# Altium PCB PIC32MZ_cam.PcbDoc (part 1 of 4)
Units mm, origin at the board's own origin, x right, y up, seen from the top; angles counter-clockwise.
Board outline 61.35 x 22.68 mm, 2 copper layers (Top Layer, Bottom Layer); 224 components, 62 nets, 1546 pads, 748 vias.
Unrouted connection lines stored in the file: 95.
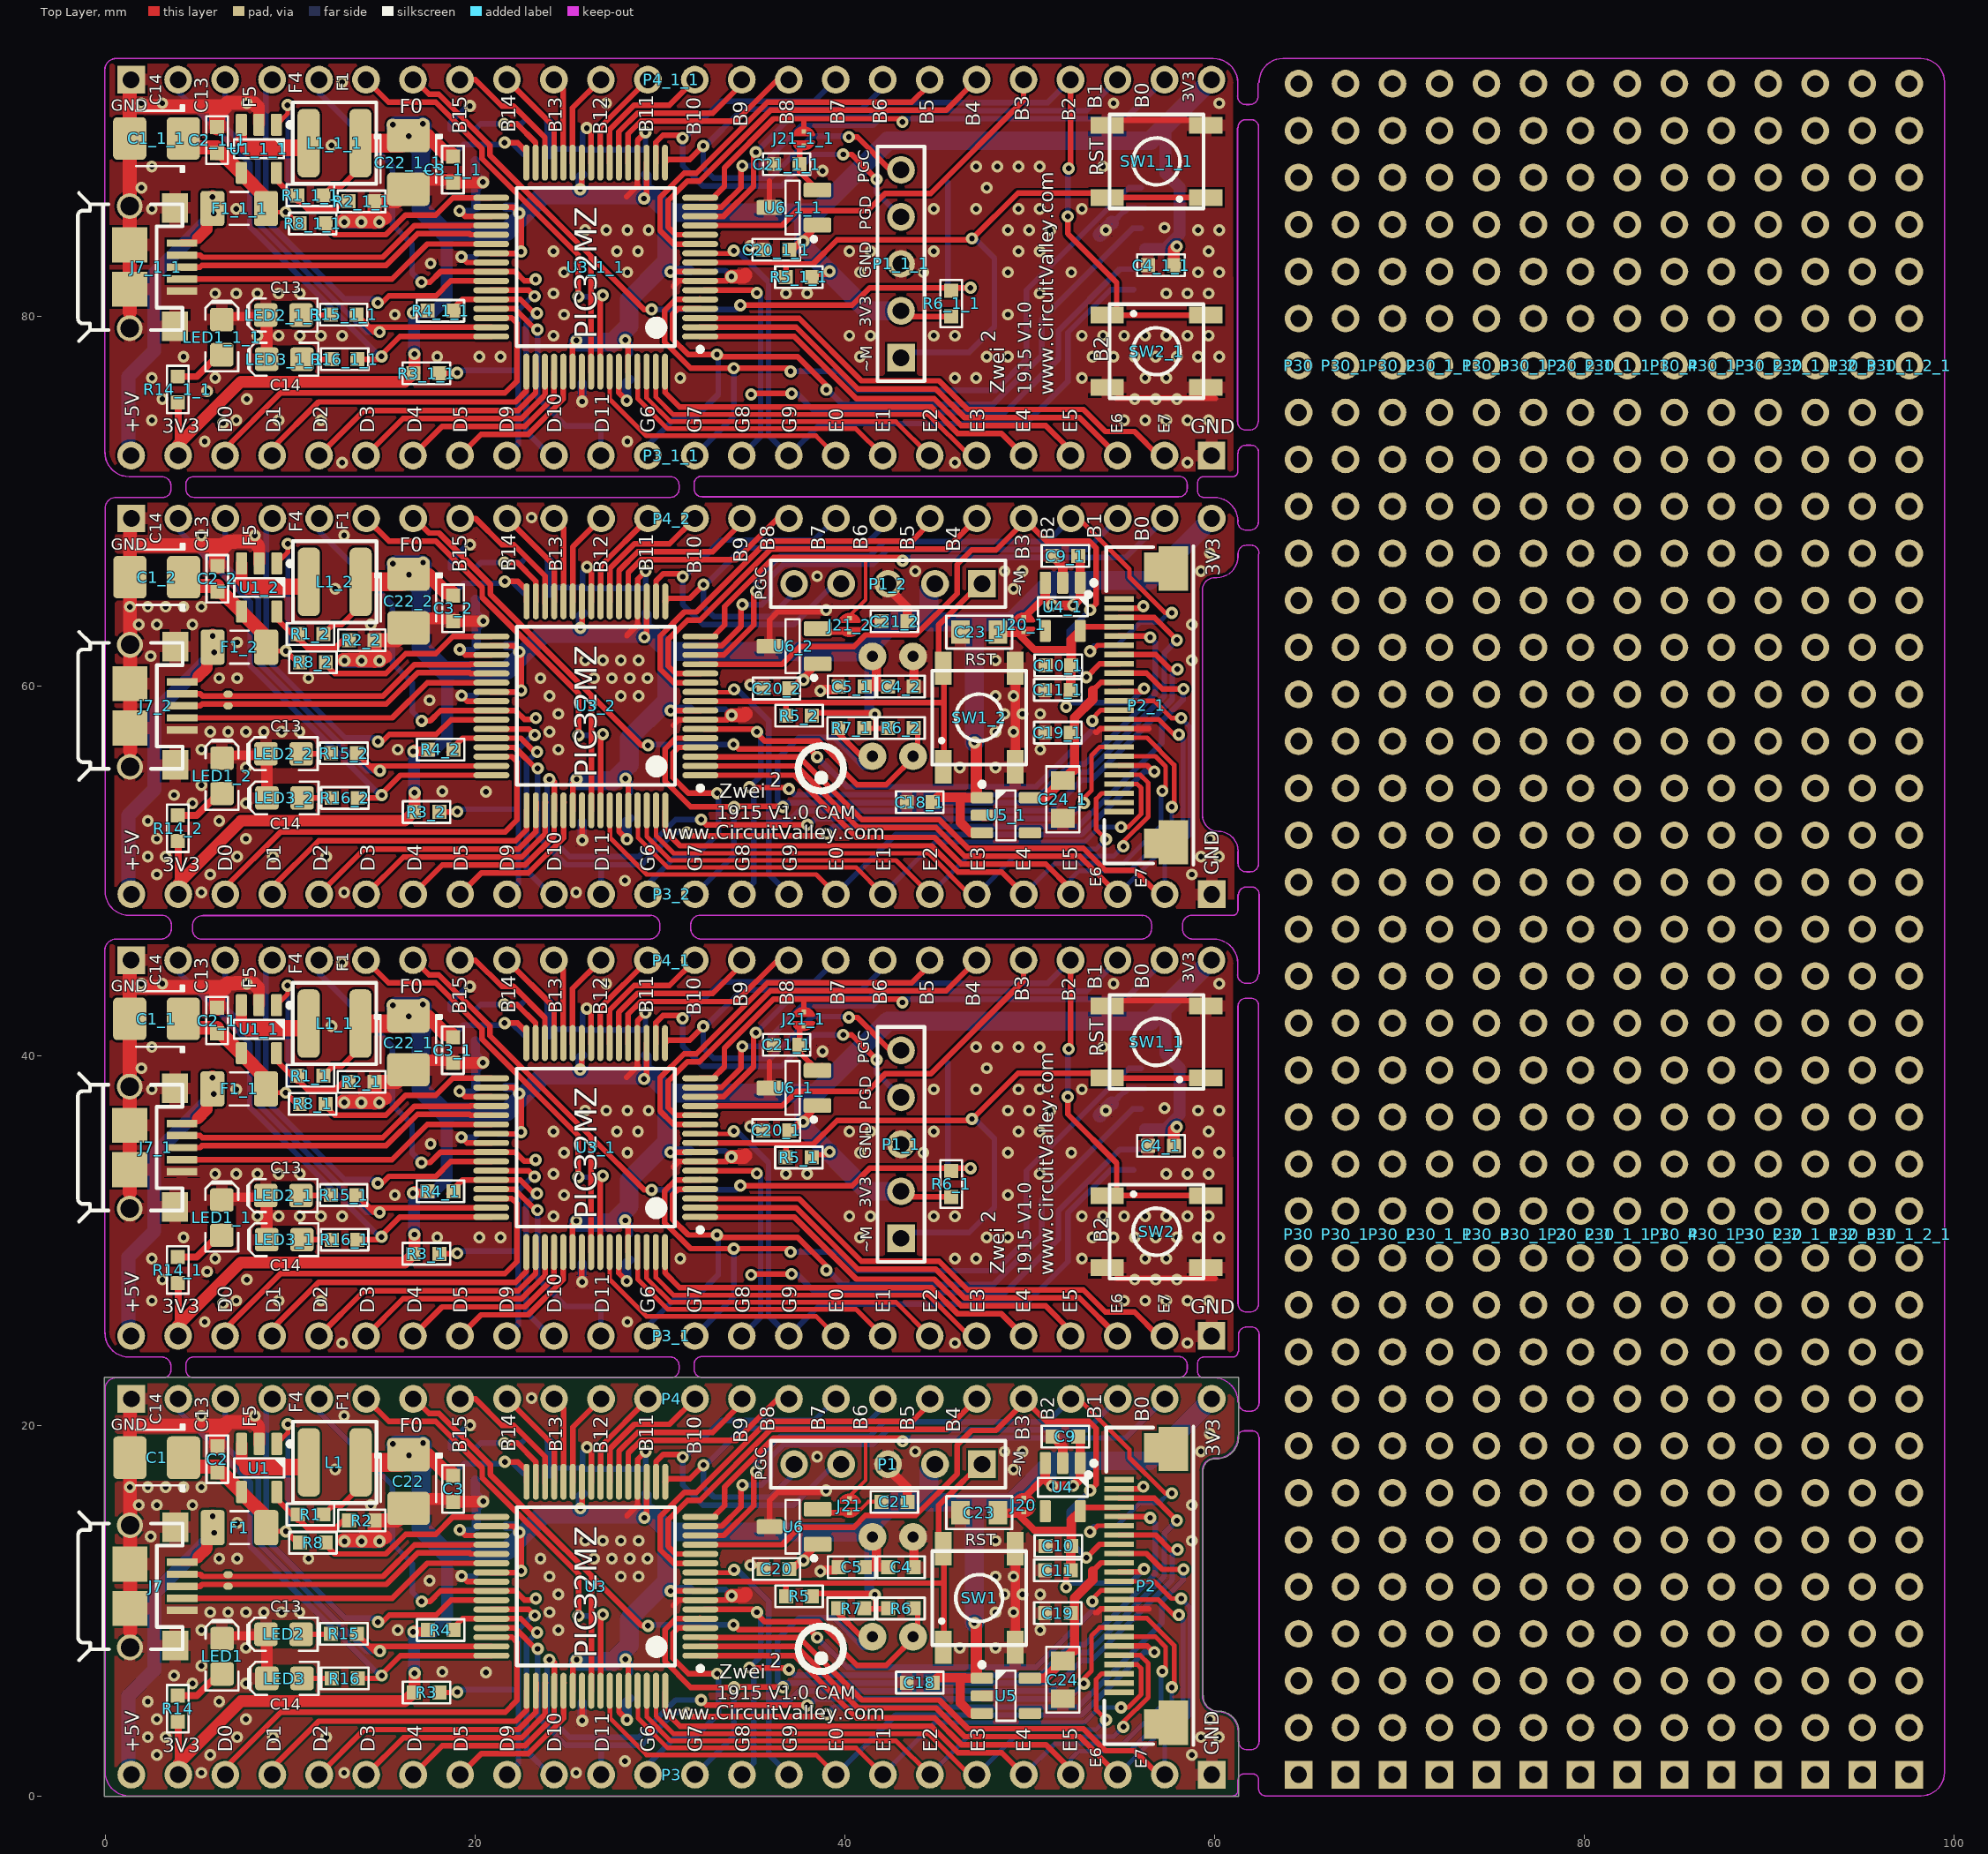
[diagram p0: Top Layer view]
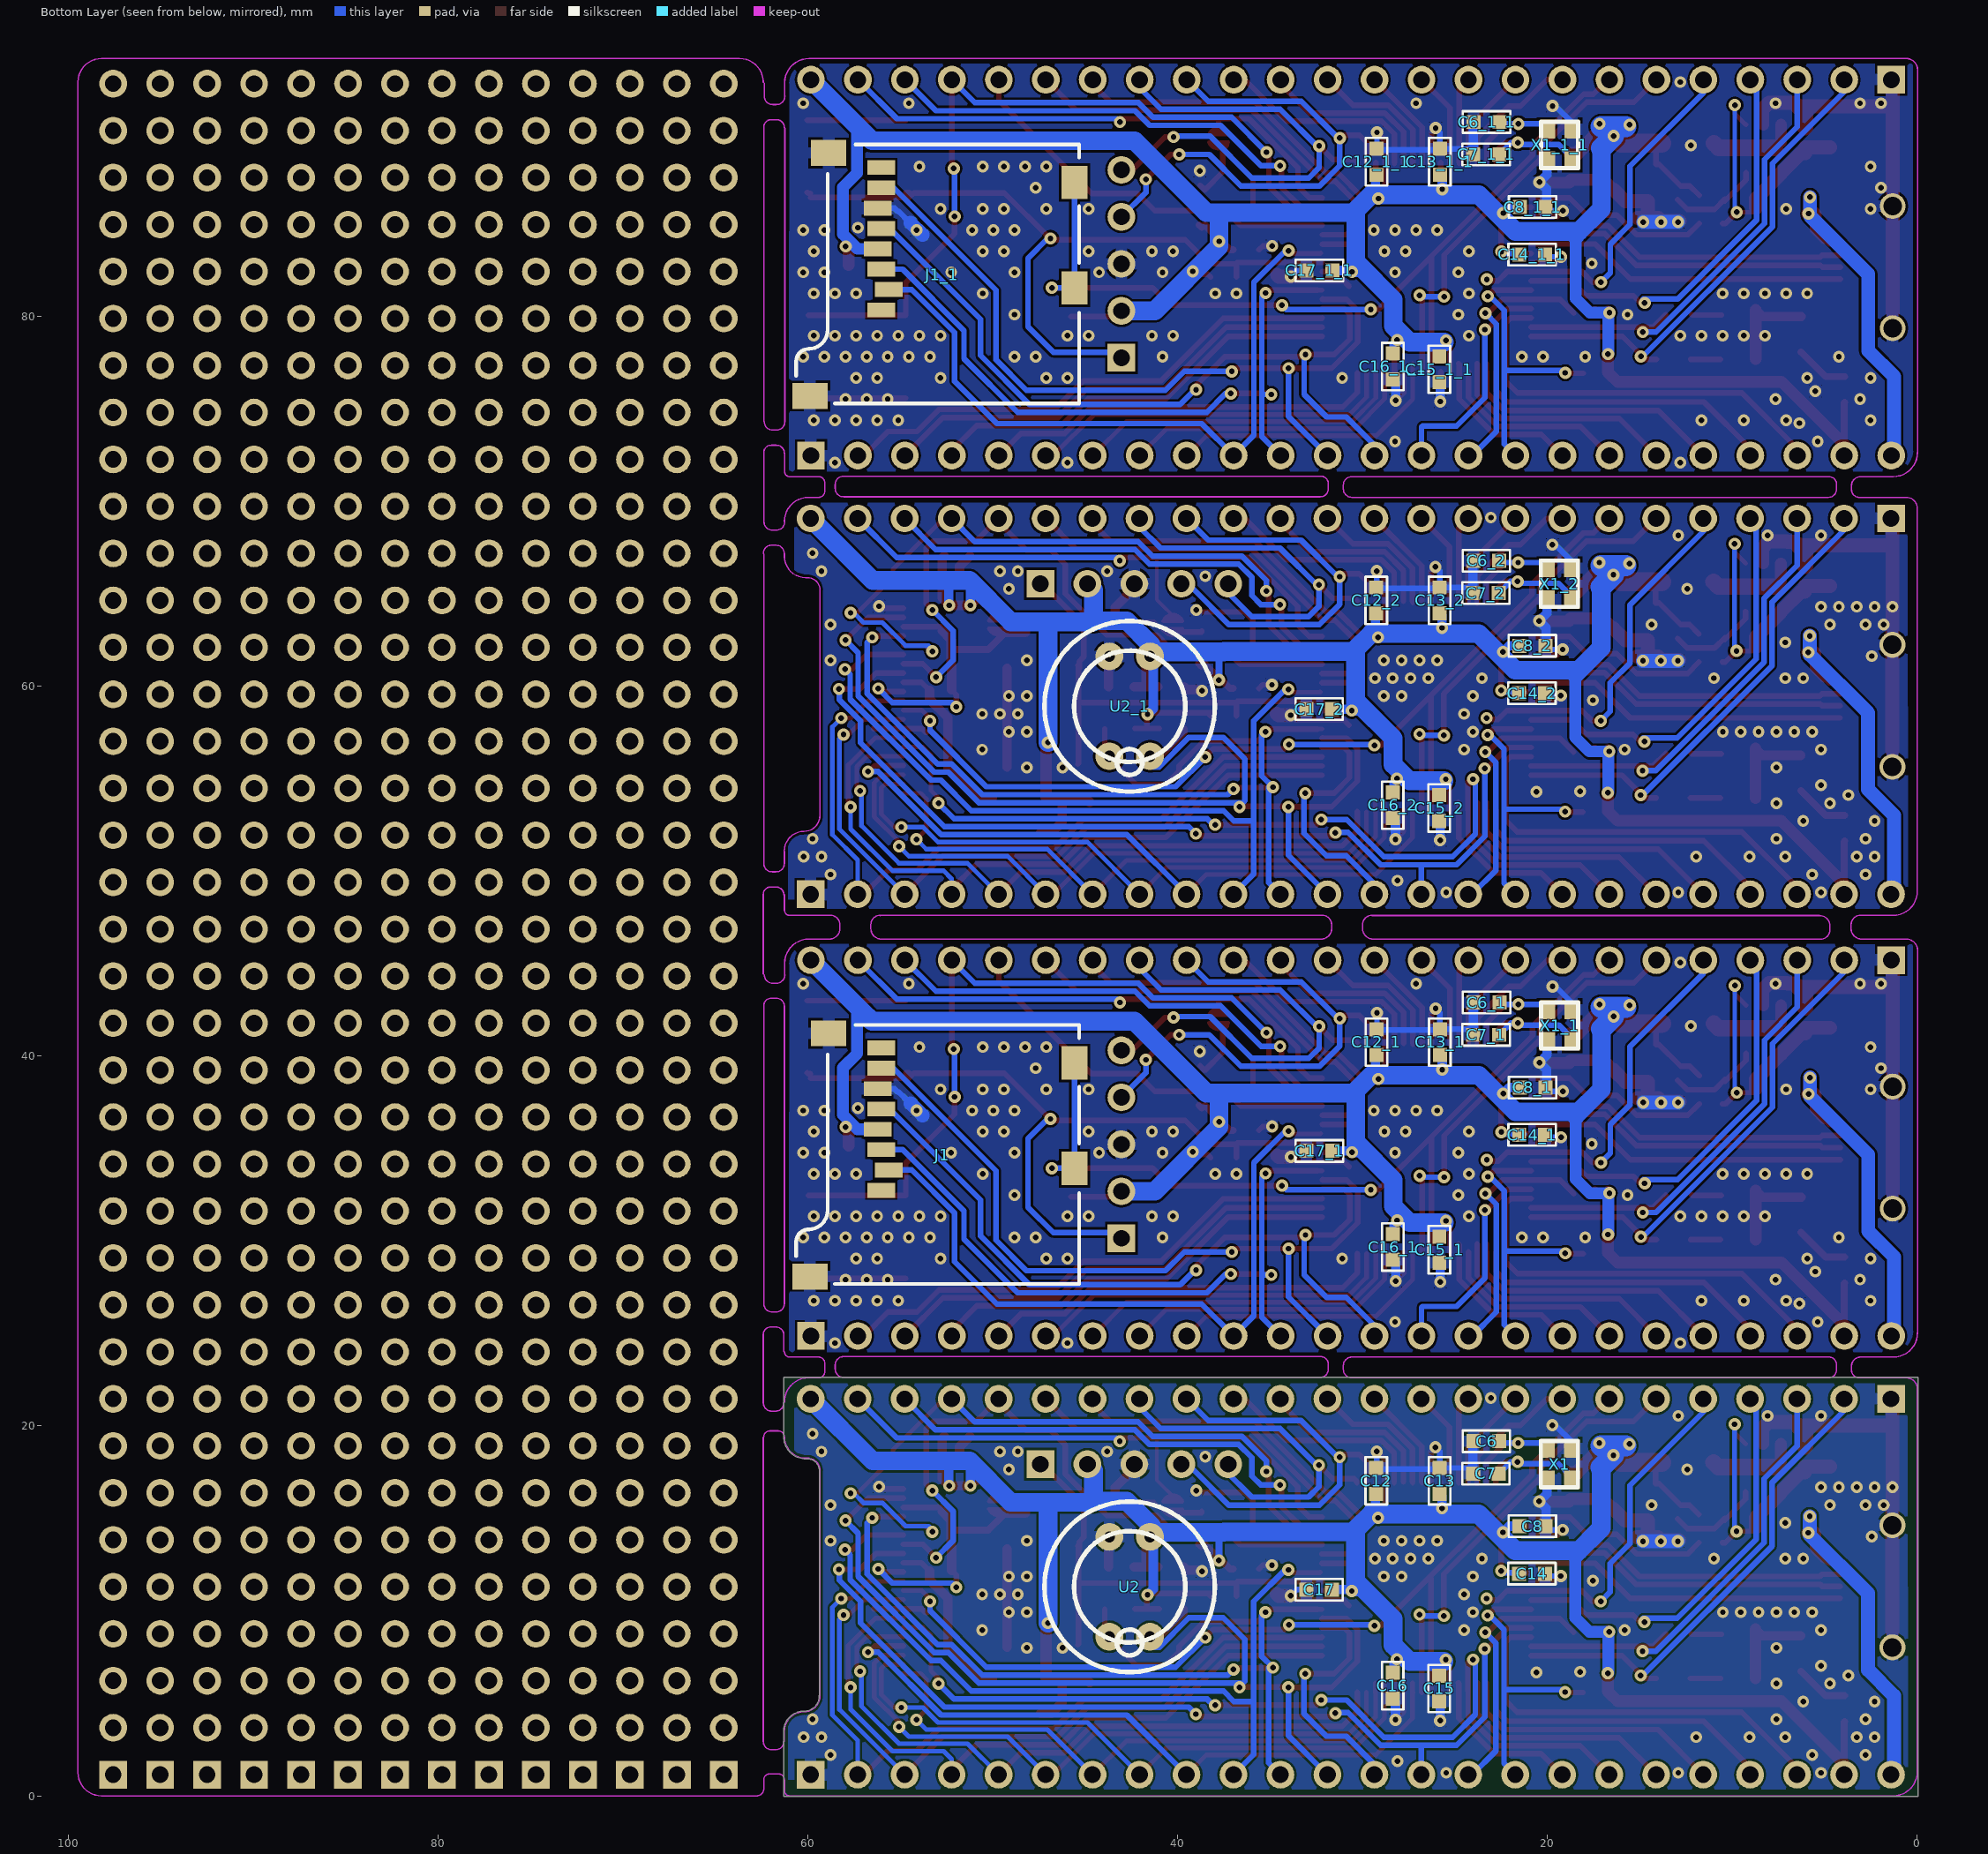
[diagram p1: Bottom Layer view, seen from below]

## Layer stack, top to bottom
Top Solder: solder mask 0.0102, Solder Resist, Dk 3.5
Top Layer: signal copper 0.0356
Dielectric 1: dielectric 0.32, FR-4, Dk 4.8
Bottom Layer: signal copper 0.0356
Bottom Solder: solder mask 0.0102, Solder Resist, Dk 3.5

## Board outline
-0.038,0 ccw(c0,0) 0,-0.038 61.265,-0.038 ccw(c61.265,0) 61.303,0 61.303,3.452 ccw(c61.273,3.476) 61.311,3.476 ccw(c60.206,3.476) 60.206,4.581 cw(c60.206,5.407) 59.381,5.407 ccw(c59.343,5.407) 59.373,5.43 59.373,17.577 cw(c60.02,17.577) 60.02,18.224 60.122,18.224 ccw(c60.122,19.406) 61.303,19.406 61.303,22.606 ccw(c61.265,22.606) 61.265,22.644 0,22.644 ccw(c0,22.606) -0.038,22.606

## Design rules (kind name [scope] priority, off if disabled: settings)
Clearance [All] p1: gap=0.127
ComponentClearance [All] p1: gap=0.127 collisioncheckmode=3 verticalgap=0.127 showdistances=FALSE
DiffPairsRouting [All] p1: maxlimit=0.254 minlimit=0.127 mostfreqgap=0.127 toplayer_minwidth=0.127 toplayer_maxwidth=1.27 toplayer_prefwidth=0.305 bottomlayer_minwidth=0.127 bottomlayer_maxwidth=1.27 bottomlayer_prefwidth=0.305 maxuncoupledlength=12.7
PolygonConnect [All] p1: connectstyle=Relief reliefconductorwidth=0.635 reliefentries=4 polygonreliefangle="90 Angle" airgapwidth=0.127
RoutingVias [All] p1: holewidth=0.3 width=1.27 viastyle="Through Hole" minholewidth=0.2 minwidth=0.45 maxholewidth=6.2 maxwidth=5
SolderMaskExpansion [All] p1: expansion=0.102
Width [All] p1: maxlimit=5.08 minlimit=0.127 preferedwidth=0.254
28 further rules are at their usual default settings.

## Classes and differential pairs
component class PIC32MZ_cam_sch: C1 C2 C3 C4 C5 C6 C7 C8 C9 C10 C11 C12 C13 C14 C15 C16 C17 C18 C19 C20 C21 C22 C23 C24 F1 J7 J20 J21 L1 LED1 LED2 LED3 P1 P2 P3 P4 R1 R2 R3 R4 R5 R6 R7 R8 R14 R15 R16 SW1 U1 U2 U3 U4 U5 U6 X1
differential pair USB: +USB_P -USB_N

## Components (designator, comment, footprint, x,y, rotation, side; value= is the part's Value field where it differs from the comment)
C1 "10µ" CAPMP3528X210N 2.794,18.288 r180 top
C1_1 "10µ" CAPMP3528X210N 2.783,42.012 r180 top (schematic designator C1)
C1_1_1 "10µ" CAPMP3528X210N 2.783,89.621 r180 top (schematic designator C1)
C1_2 "10µ" CAPMP3528X210N 2.794,65.898 r180 top (schematic designator C1)
C2 "100nf" 0603C-GENERIC 6.071,18.898 r270 top
C2_1 "100nf" 0603C-GENERIC 6.06,42.621 r270 top (schematic designator C2)
C2_1_1 "100nf" 0603C-GENERIC 6.06,90.231 r270 top (schematic designator C2)
C2_2 "100nf" 0603C-GENERIC 6.071,66.507 r270 top (schematic designator C2)
C3 "100nf" 0603C-GENERIC 18.821,15.9 r90 top
C3_1 "100nf" 0603C-GENERIC 18.81,39.624 r90 top (schematic designator C3)
C3_1_1 "100nf" 0603C-GENERIC 18.81,87.234 r90 top (schematic designator C3)
C3_2 "100nf" 0603C-GENERIC 18.821,63.51 r90 top (schematic designator C3)
C4 "1u" 0603C-GENERIC 43.739,12.37 r180 top
C4_1 "100nf" 0603C-GENERIC 56.402,35.154 r0 top (schematic designator C4)
C4_1_1 "100nf" 0603C-GENERIC 56.402,82.763 r0 top (schematic designator C4)
C4_2 "1u" 0603C-GENERIC 43.739,59.98 r180 top (schematic designator C4)
C5 "100nf" 0603C-GENERIC 39.675,12.37 r0 top
C5_1 "100nf" 0603C-GENERIC 39.675,59.98 r0 top (schematic designator C5)
C6 "22pf" 0603C-GENERIC 24.003,19.177 r180 bottom
C6_1 "22pf" 0603C-GENERIC 23.992,42.901 r180 bottom (schematic designator C6)
C6_1_1 "22pf" 0603C-GENERIC 23.992,90.51 r180 bottom (schematic designator C6)
C6_2 "22pf" 0603C-GENERIC 24.003,66.787 r180 bottom (schematic designator C6)
C7 "22pf" 0603C-GENERIC 24.028,17.424 r180 bottom
C7_1 "22pf" 0603C-GENERIC 24.017,41.148 r180 bottom (schematic designator C7)
C7_1_1 "22pf" 0603C-GENERIC 24.017,88.758 r180 bottom (schematic designator C7)
C7_2 "22pf" 0603C-GENERIC 24.028,65.034 r180 bottom (schematic designator C7)
C8 "470nf" 0603C-GENERIC 21.514,14.58 r180 bottom
C8_1 "470nf" 0603C-GENERIC 21.503,38.303 r180 bottom (schematic designator C8)
C8_1_1 "470nf" 0603C-GENERIC 21.503,85.913 r180 bottom (schematic designator C8)
C8_2 "470nf" 0603C-GENERIC 21.514,62.189 r180 bottom (schematic designator C8)
C9 "100nf" 0603C-GENERIC 51.232,19.431 r0 top
C9_1 "100nf" 0603C-GENERIC 51.232,67.041 r0 top (schematic designator C9)
C10 "100nf" 0603C-GENERIC 50.851,13.513 r0 top
C10_1 "100nf" 0603C-GENERIC 50.851,61.123 r0 top (schematic designator C10)
C11 "100nf" 0603C-GENERIC 50.825,12.192 r0 top
C11_1 "100nf" 0603C-GENERIC 50.825,59.802 r0 top (schematic designator C11)
C12 "100nF" 0603C-GENERIC 29.261,17.729 r270 bottom
C12_1 "100nF" 0603C-GENERIC 29.25,41.453 r270 bottom (schematic designator C12)
C12_1_1 "100nF" 0603C-GENERIC 29.25,89.063 r270 bottom (schematic designator C12)
C12_2 "100nF" 0603C-GENERIC 29.261,65.339 r270 bottom (schematic designator C12)
C13 "100nF" 0603C-GENERIC 25.832,17.729 r270 bottom
C13_1 "100nF" 0603C-GENERIC 25.821,41.453 r270 bottom (schematic designator C13)
C13_1_1 "100nF" 0603C-GENERIC 25.821,89.063 r270 bottom (schematic designator C13)
C13_2 "100nF" 0603C-GENERIC 25.832,65.339 r270 bottom (schematic designator C13)
C14 "100nF" 0603C-GENERIC 20.142,12.014 r0 bottom
C14_1 "100nF" 0603C-GENERIC 20.131,35.738 r0 bottom (schematic designator C14)
C14_1_1 "100nF" 0603C-GENERIC 20.131,83.348 r0 bottom (schematic designator C14)
C14_2 "100nF" 0603C-GENERIC 20.142,59.624 r0 bottom (schematic designator C14)
C15 "100nF" 0603C-GENERIC 25.857,5.105 r90 bottom
C15_1 "100nF" 0603C-GENERIC 25.846,28.829 r90 bottom (schematic designator C15)
C15_1_1 "100nF" 0603C-GENERIC 25.846,76.439 r90 bottom (schematic designator C15)
C15_2 "100nF" 0603C-GENERIC 25.857,52.715 r90 bottom (schematic designator C15)
C16 "100nF" 0603C-GENERIC 28.372,5.258 r90 bottom
C16_1 "100nF" 0603C-GENERIC 28.361,28.981 r90 bottom (schematic designator C16)
C16_1_1 "100nF" 0603C-GENERIC 28.361,76.591 r90 bottom (schematic designator C16)
C16_2 "100nF" 0603C-GENERIC 28.372,52.868 r90 bottom (schematic designator C16)
C17 "100nF" 0603C-GENERIC 33.045,11.151 r180 bottom
C17_1 "100nF" 0603C-GENERIC 33.034,34.874 r180 bottom (schematic designator C17)
C17_1_1 "100nF" 0603C-GENERIC 33.034,82.484 r180 bottom (schematic designator C17)
C17_2 "100nF" 0603C-GENERIC 33.045,58.76 r180 bottom (schematic designator C17)
C18 "100nf" 0603C-GENERIC 43.358,6.121 r0 top
C18_1 "100nf" 0603C-GENERIC 43.358,53.731 r0 top (schematic designator C18)
C19 "100nf" 0603C-GENERIC 50.825,9.881 r0 top
C19_1 "100nf" 0603C-GENERIC 50.825,57.49 r0 top (schematic designator C19)
C20 "100nf" 0603C-GENERIC 35.611,12.268 r0 top
C20_1 "100nf" 0603C-GENERIC 35.6,35.992 r0 top (schematic designator C20)
C20_1_1 "100nf" 0603C-GENERIC 35.6,83.602 r0 top (schematic designator C20)
C20_2 "100nf" 0603C-GENERIC 35.611,59.878 r0 top (schematic designator C20)
C21 "2.2nf" 0603C-GENERIC 43.383,15.9 r180 top
C21_1 "2.2nf" 0603C-GENERIC 36.159,40.615 r0 top (schematic designator C21)
C21_1_1 "2.2nf" 0603C-GENERIC 36.159,88.224 r0 top (schematic designator C21)
C21_2 "2.2nf" 0603C-GENERIC 43.383,63.51 r180 top (schematic designator C21)
C22 "10µ" CAPMP3528X210N 16.408,16.993 r270 top
C22_1 "10µ" CAPMP3528X210N 16.397,40.716 r270 top (schematic designator C22)
C22_1_1 "10µ" CAPMP3528X210N 16.397,88.326 r270 top (schematic designator C22)
C22_2 "10µ" CAPMP3528X210N 16.408,64.602 r270 top (schematic designator C22)
C23 "TBD" 0805C-TBD 48.031,15.316 r180 top
C23_1 "TBD" 0805C-TBD 48.031,62.926 r180 top (schematic designator C23)
C24 "TBD" 0805C-TBD 51.791,7.036 r270 top
C24_1 "TBD" 0805C-TBD 51.791,54.646 r270 top (schematic designator C24)
F1 "0ZCJ0050FF2G" RESC3216N 7.264,14.503 r0 top
F1_1 "0ZCJ0050FF2G" RESC3216N 7.253,38.227 r0 top (schematic designator F1)
F1_1_1 "0ZCJ0050FF2G" RESC3216N 7.253,85.837 r0 top (schematic designator F1)
F1_2 "0ZCJ0050FF2G" RESC3216N 7.264,62.113 r0 top (schematic designator F1)
J1 "MicroSD_Selfeject" MicroSD_Selfeject 45.328,41.681 r90 bottom
J1_1 "MicroSD_Selfeject" MicroSD_Selfeject 45.328,89.291 r90 bottom (schematic designator J1)
J7 "Micro-USB-B" 10118193-0001lfc 1.346,11.33 r270 top
J7_1 "Micro-USB-B" 10118193-0001lfc 1.335,35.054 r270 top (schematic designator J7)
J7_1_1 "Micro-USB-B" 10118193-0001lfc 1.335,82.663 r270 top (schematic designator J7)
J7_2 "Micro-USB-B" 10118193-0001lfc 1.346,58.94 r270 top (schematic designator J7)
J20 "BYPASS-MINI" BYPASS-MINI#1 49.682,14.859 r90 top
J20_1 "BYPASS-MINI" BYPASS-MINI#1 49.682,62.469 r90 top (schematic designator J20)
J21 "BYPASS-MINI" BYPASS-MINI#2 40.259,16.561 r270 top
J21_1 "BYPASS-MINI" BYPASS-MINI#3 37.784,42.875 r270 top (schematic designator J21)
J21_1_1 "BYPASS-MINI" BYPASS-MINI#3 37.784,90.485 r270 top (schematic designator J21)
J21_2 "BYPASS-MINI" BYPASS-MINI#2 40.259,64.171 r270 top (schematic designator J21)
L1 "2u2" TAIYO_NRS4018T2R2MDGJ 12.421,18.034 r0 top
L1_1 "2u2" TAIYO_NRS4018T2R2MDGJ 12.41,41.758 r0 top (schematic designator L1)
L1_1_1 "2u2" TAIYO_NRS4018T2R2MDGJ 12.41,89.367 r0 top (schematic designator L1)
L1_2 "2u2" TAIYO_NRS4018T2R2MDGJ 12.421,65.644 r0 top (schematic designator L1)
LED1 "Blue" LED-0805-K 6.325,7.544 r90 top
LED1_1 "Blue" LED-0805-K 6.314,31.267 r90 top (schematic designator LED1)
LED1_1_1 "Blue" LED-0805-K 6.314,78.877 r90 top (schematic designator LED1)
LED1_2 "Blue" LED-0805-K 6.325,55.154 r90 top (schematic designator LED1)
LED2 "Blue" LED-0805-K 9.652,8.738 r180 top
LED2_1 "Blue" LED-0805-K 9.641,32.461 r180 top (schematic designator LED2)
LED2_1_1 "Blue" LED-0805-K 9.641,80.071 r180 top (schematic designator LED2)
LED2_2 "Blue" LED-0805-K 9.652,56.347 r180 top (schematic designator LED2)
LED3 "Blue" LED-0805-K 9.703,6.35 r180 top
LED3_1 "Blue" LED-0805-K 9.692,30.074 r180 top (schematic designator LED3)
LED3_1_1 "Blue" LED-0805-K 9.692,77.683 r180 top (schematic designator LED3)
LED3_2 "Blue" LED-0805-K 9.703,53.96 r180 top (schematic designator LED3)
P1 "Header 5" HDR1X5 47.422,17.932 r180 top
P1_1 "Header 5" HDR1X5 43.042,30.15 r90 top (schematic designator P1)
P1_1_1 "Header 5" HDR1X5 43.042,77.76 r90 top (schematic designator P1)
P1_2 "Header 5" HDR1X5 47.422,65.542 r180 top (schematic designator P1)
P2 "FPC" "OV7xxx Cam" 58.928,11.354 r90 top
P2_1 "FPC" "OV7xxx Cam" 58.928,58.964 r90 top (schematic designator P2)
P3 "Header 24" HDR1X24#1 59.842,1.143 r180 top
P3_1 "Header 24" HDR1X24#1 59.831,24.867 r180 top (schematic designator P3)
P3_1_1 "Header 24" HDR1X24#1 59.831,72.476 r180 top (schematic designator P3)
P3_2 "Header 24" HDR1X24#1 59.842,48.753 r180 top (schematic designator P3)
P4 "Header 24" HDR1X24#1 1.422,21.463 r0 top locked
P4_1 "Header 24" HDR1X24#1 1.411,45.187 r0 top locked (schematic designator P4)
P4_1_1 "Header 24" HDR1X24#1 1.411,92.796 r0 top locked (schematic designator P4)
P4_2 "Header 24" HDR1X24#1 1.422,69.073 r0 top locked (schematic designator P4)
P30 "Header 24" HDR1X24#2 64.541,59.563 r90 top (schematic designator P3)
P30 "Header 24" HDR1X24#1 64.541,1.143 r90 top (schematic designator P3)
P30_1 "Header 24" HDR1X24#2 67.081,59.563 r90 top (schematic designator P3)
P30_1 "Header 24" HDR1X24#1 67.081,1.143 r90 top (schematic designator P3)
P30_1_1 "Header 24" HDR1X24#1 72.161,1.143 r90 top (schematic designator P3)
P30_1_1 "Header 24" HDR1X24#2 72.161,59.563 r90 top (schematic designator P3)
P30_1_1_1 "Header 24" HDR1X24#2 82.321,59.563 r90 top (schematic designator P3)
P30_1_1_1 "Header 24" HDR1X24#1 82.321,1.143 r90 top (schematic designator P3)
P30_1_1_2 "Header 24" HDR1X24#2 92.481,59.563 r90 top (schematic designator P3)
P30_1_1_2 "Header 24" HDR1X24#1 92.481,1.143 r90 top (schematic designator P3)
P30_1_2 "Header 24" HDR1X24#1 77.241,1.143 r90 top (schematic designator P3)
P30_1_2 "Header 24" HDR1X24#2 77.241,59.563 r90 top (schematic designator P3)
P30_1_2_1 "Header 24" HDR1X24#2 97.561,59.563 r90 top (schematic designator P3)
P30_1_2_1 "Header 24" HDR1X24#1 97.561,1.143 r90 top (schematic designator P3)
P30_1_3 "Header 24" HDR1X24#1 87.401,1.143 r90 top (schematic designator P3)
P30_1_3 "Header 24" HDR1X24#2 87.401,59.563 r90 top (schematic designator P3)
P30_2 "Header 24" HDR1X24#1 69.621,1.143 r90 top (schematic designator P3)
P30_2 "Header 24" HDR1X24#2 69.621,59.563 r90 top (schematic designator P3)
P30_2_1 "Header 24" HDR1X24#2 79.781,59.563 r90 top (schematic designator P3)
P30_2_1 "Header 24" HDR1X24#1 79.781,1.143 r90 top (schematic designator P3)
P30_2_2 "Header 24" HDR1X24#2 89.941,59.563 r90 top (schematic designator P3)
P30_2_2 "Header 24" HDR1X24#1 89.941,1.143 r90 top (schematic designator P3)
P30_3 "Header 24" HDR1X24#1 74.701,1.143 r90 top (schematic designator P3)
P30_3 "Header 24" HDR1X24#2 74.701,59.563 r90 top (schematic designator P3)
P30_3_1 "Header 24" HDR1X24#2 95.021,59.563 r90 top (schematic designator P3)
P30_3_1 "Header 24" HDR1X24#1 95.021,1.143 r90 top (schematic designator P3)
P30_4 "Header 24" HDR1X24#1 84.861,1.143 r90 top (schematic designator P3)
P30_4 "Header 24" HDR1X24#2 84.861,59.563 r90 top (schematic designator P3)
R1 "450K" 0603R-10K 10.414,15.215 r0 top
R1_1 "450K" 0603R-10K 10.403,38.938 r0 top (schematic designator R1)
R1_1_1 "450K" 0603R-10K 10.403,86.548 r0 top (schematic designator R1)
R1_2 "450K" 0603R-10K 10.414,62.824 r0 top (schematic designator R1)
R2 "100K" 0603R-10K 14.58,14.884 r180 top
R2_1 "100K" 0603R-10K 14.569,38.608 r180 top (schematic designator R2)
R2_1_1 "100K" 0603R-10K 14.569,86.218 r180 top (schematic designator R2)
R2_2 "100K" 0603R-10K 14.58,62.494 r180 top (schematic designator R2)
R3 "1K8" 0603R-10K 18.085,5.588 r180 top
R3_1 "1K8" 0603R-10K 18.074,29.312 r180 top (schematic designator R3)
R3_1_1 "1K8" 0603R-10K 18.074,76.921 r180 top (schematic designator R3)
R3_2 "1K8" 0603R-10K 18.085,53.198 r180 top (schematic designator R3)
R4 "1K8" 0603R-10K 18.847,8.966 r180 top
R4_1 "1K8" 0603R-10K 18.836,32.69 r180 top (schematic designator R4)
R4_1_1 "1K8" 0603R-10K 18.836,80.3 r180 top (schematic designator R4)
R4_2 "1K8" 0603R-10K 18.847,56.576 r180 top (schematic designator R4)
R5 "10K" 0603R-10K 38.227,10.795 r180 top
R5_1 "10K" 0603R-10K 38.216,34.519 r180 top (schematic designator R5)
R5_1_1 "10K" 0603R-10K 38.216,82.128 r180 top (schematic designator R5)
R5_2 "10K" 0603R-10K 38.227,58.405 r180 top (schematic designator R5)
R6 "1K8" 0603R-10K 43.739,10.135 r180 top
R6_1 "10K" 0603R-10K 45.76,33.782 r270 top (schematic designator R6)
R6_1_1 "10K" 0603R-10K 45.76,81.392 r270 top (schematic designator R6)
R6_2 "1K8" 0603R-10K 43.739,57.744 r180 top (schematic designator R6)
R7 "1K8" 0603R-10K 39.649,10.135 r0 top
R7_1 "1K8" 0603R-10K 39.649,57.744 r0 top (schematic designator R7)
R8 "100R" 0603R-10K 10.541,13.691 r0 top
R8_1 "100R" 0603R-10K 10.53,37.414 r0 top (schematic designator R8)
R8_1_1 "100R" 0603R-10K 10.53,85.024 r0 top (schematic designator R8)
R8_2 "100R" 0603R-10K 10.541,61.3 r0 top (schematic designator R8)
R14 "330R" 0603R-10K 3.937,4.013 r90 top
R14_1 "330R" 0603R-10K 3.926,27.737 r90 top (schematic designator R14)
R14_1_1 "330R" 0603R-10K 3.926,75.347 r90 top (schematic designator R14)